# Altium PCB VCU_LAYOUT.PcbDoc (part 1 of 2)
Units mm, origin at the board's own origin, x right, y up, seen from the top; angles counter-clockwise.
Board outline 150 x 110 mm, 2 copper layers (Top Layer, Bottom Layer); 190 components, 112 nets, 718 pads, 126 vias.
Unrouted connection lines stored in the file: 281.
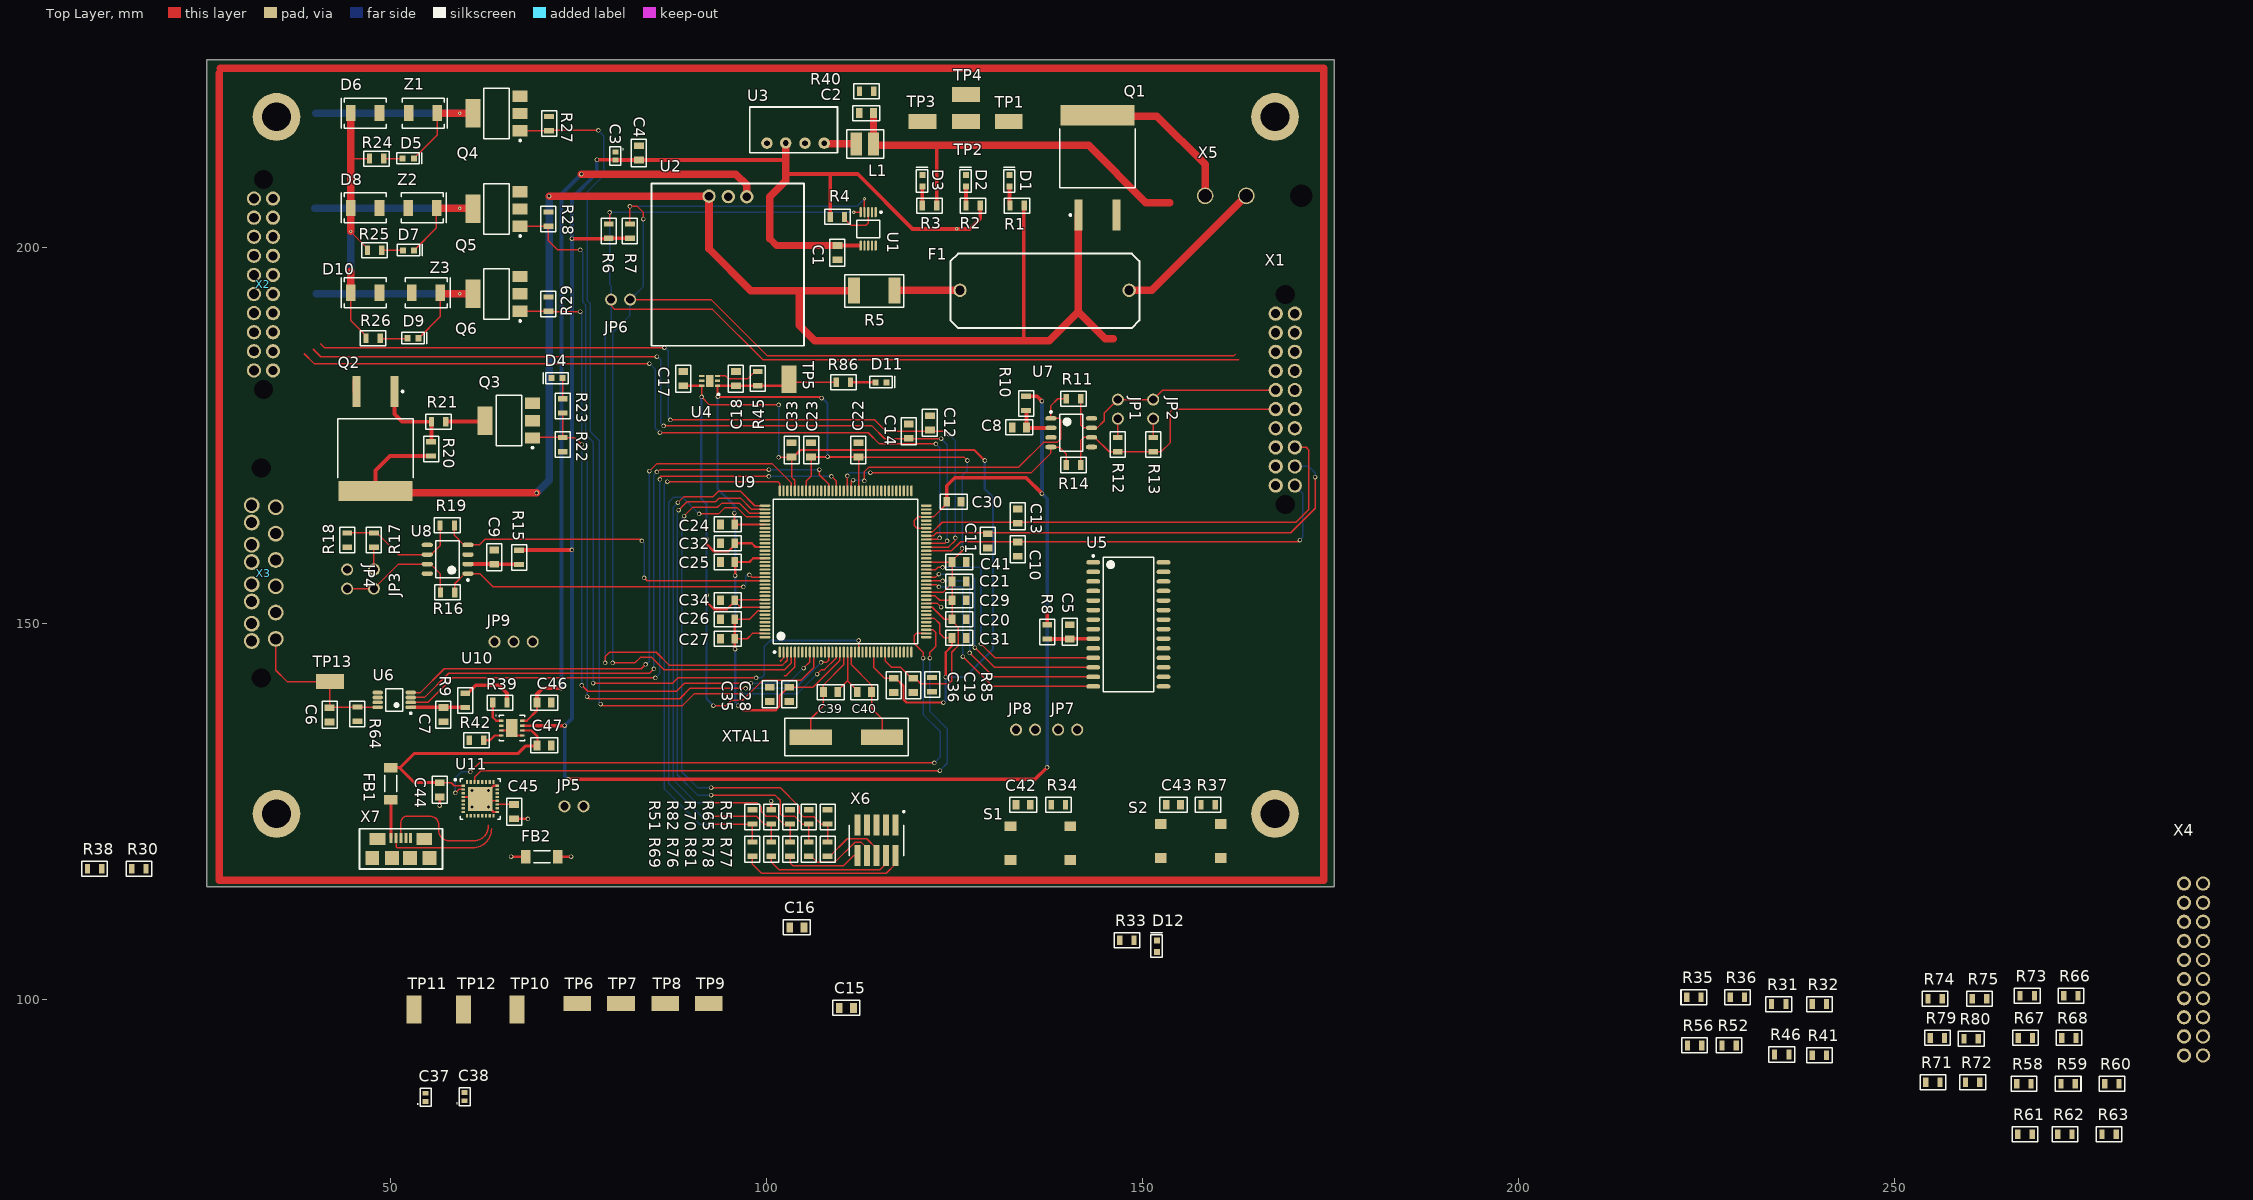
[diagram p0: Top Layer view]
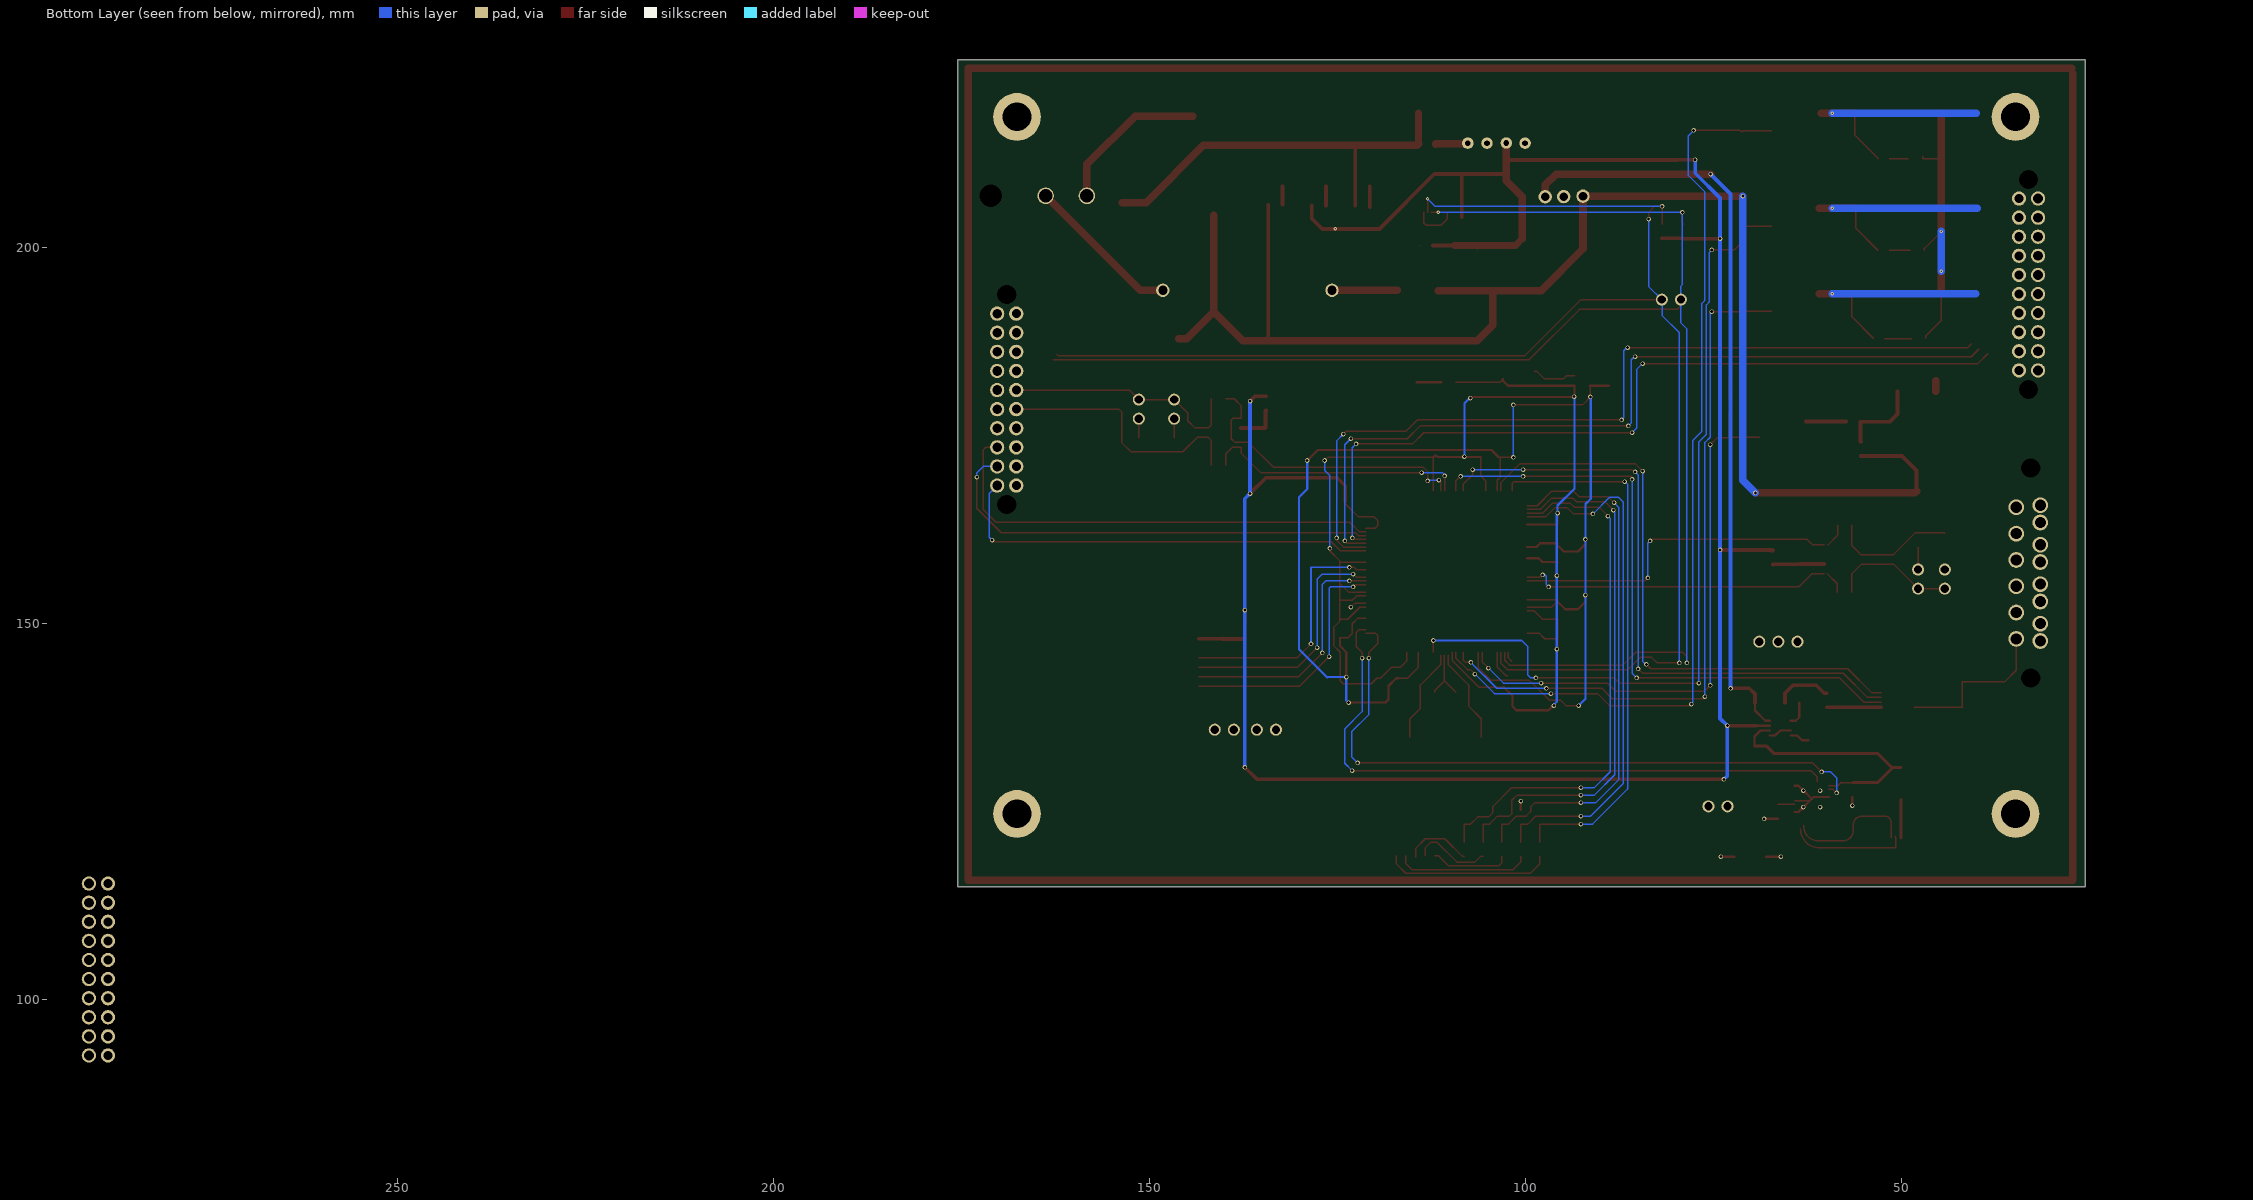
[diagram p1: Bottom Layer view, seen from below]

## Layer stack, top to bottom
Top Solder: solder mask 0.0102, Solder Resist, Dk 3.5
Top Layer: signal copper 0.0356
Dielectric 1: dielectric 0.32, FR-4, Dk 4.8
Bottom Layer: signal copper 0.0356
Bottom Solder: solder mask 0.0102, Solder Resist, Dk 3.5

## Board outline
25.5,225 175.5,225 175.5,115 25.5,115

## Design rules (kind name [scope] priority, off if disabled: settings)
Clearance [All] p1: gap=0.254 ignorepadtopadclearanceinfootprint=FALSE except(0: Arc-Hole Track-Hole SMDPad-Hole THPad-Hole Via-Hole Fill-Hole Poly-Hole Region-Hole Text-Hole; 0.1: Arc-SMDPad Track-SMDPad SMDPad-SMDPad)
DiffPairsRouting [All] p1: maxlimit=15 minlimit=0.254 mostfreqgap=0.254 toplayer_minwidth=0.15 toplayer_maxwidth=0.381 toplayer_prefwidth=0.2 bottomlayer_minwidth=0.15 bottomlayer_maxwidth=0.381 bottomlayer_prefwidth=0.2 maxuncoupledlength=12.7
Height [All] p1: minheight=0 maxheight=300 prefheight=12.7
PolygonConnect [All] p1: connectstyle=Relief reliefconductorwidth=0.254 reliefentries=4 polygonreliefangle="90 Angle" airgapwidth=0.254
RoutingVias [All] p1: holewidth=0.711 width=1.27 viastyle="Through Hole" minholewidth=0.711 minwidth=1.27 maxholewidth=0.711 maxwidth=1.27
SolderMaskExpansion [All] p1: expansion=0.102
Width [All] p1: maxlimit=1 minlimit=0.15 preferedwidth=0.254
28 further rules are at their usual default settings.

## Classes and differential pairs
component class VCU_Schematic: C5 C6 C7 I2C JP5 JP6 JP7 JP8 JP9 R6 R7 R8 R9 R64 TP6 TP7 TP8 TP9 TP10 TP11 TP12 TP13 U5 U6
component class Power_Sensing: C1 C2 C3 C4 D1 D2 D3 F1 L1 Q1 R1 R2 R3 R4 R5 R40 TP1 TP2 TP3 TP4 U1 U2 U3
component class GPIO_Pullups_Pulldowns: R31 R32 R35 R36 R41 R46 R52 R56
component class Contactor_Switching: D4 D5 D6 D7 D8 D9 D10 Q2 Q3 Q4 Q5 Q6 R20 R21 R22 R23 R24 R25 R26 R27 R28 R29 Z1 Z2 Z3
component class Connectors: R30 R38 X1 X2 X3 X4 X5
component class CAN: C8 C9 JP1 JP2 JP3 JP4 R10 R11 R12 R13 R14 R15 R16 R17 R18 R19 U7 U8
component class ADC_Decoupling: C10 C11 C12 C13 C14 C15 C16 R58 R59 R60 R61 R62 R63 R66 R67 R68 R71 R72 R73 R74 R75 R79 R80
component class MCU_Signals: C30 C39 C40 C42 C43 C44 C45 C46 C47 D12 FB1 FB2 R33 R34 R37 R39 R42 R51 R55 R65 R69 R70 R76 R77 R78 R81 R82 R85 S1 S2 U10 U11 X6 X7 XTAL1
component class Power_MCU: C17 C18 C19 C20 C21 C22 C23 C24 C25 C26 C27 C28 C29 C31 C32 C33 C34 C35 C36 C37 C38 C41 D11 R45 R86 TP5 U4 U9
differential pair USBD: +USBD_P -USBD_N

## Components (designator, comment, footprint, x,y, rotation, side; value= is the part's Value field where it differs from the comment)
C1 "100nF" C0805 109.4,199.35 r90 top
C2 "4u7" C0805 113.25,217.9 r0 top
C3 "10uF" TANT_10u 79.9,212.2 r270 top
C4 "100nF" C0805 83,212.6 r270 top
C5 "100nF" C0805 140.3,148.9 r270 top
C6 "100nF" C0805 41.86,137.86 r90 top
C7 "100nF" C0805 57,137.9 r90 top
C8 "100nF" C0805 133.6,176.1 r0 top
C9 "100nF" C0805 63.76,158.86 r270 top
C10 "100nF" C0805 133.4,159.9 r90 top
C11 "100nF" C0805 129.4,161 r90 top
C12 "100nF" C0805 121.7,176.7 r270 top
C13 "100nF" C0805 133.4,164.3 r270 top
C14 "100nF" C0805 118.9,175.6 r270 top
C15 "100nF" C0805 110.6,98.9 r0 top
C16 "100nF" C0805 104,109.6 r0 top
C17 "1uF" C0805 88.9,182.6 r270 top
C18 "1uF" C0805 95.9,182.6 r270 top
C19 "100nF" C0805 119.5,141.8 r90 top
C20 "100nF" C0805 125.6,150.6 r180 top
C21 "100nF" C0805 125.6,155.6 r180 top
C22 "100nF" C0805 112.2,173.1 r270 top
C23 "100nF" C0805 105.9,173.1 r270 top
C24 "100nF" C0805 94.8,163.2 r0 top
C25 "100nF" C0805 94.8,158.2 r0 top
C26 "100nF" C0805 94.8,150.6 r0 top
C27 "100nF" C0805 94.8,148 r0 top
C28 "100nF" C0805 103,140.6 r90 top
C29 "100nF" C0805 125.6,153.1 r180 top
C30 "100nF" C0805 124.9,166.2 r180 top
C31 "100nF" C0805 125.6,148.1 r180 top
C32 "100nF" C0805 94.8,160.7 r0 top
C33 "100nF" C0805 103.3,173.1 r270 top
C34 "100nF" C0805 94.8,153.1 r0 top
C35 "100nF" C0805 100.4,140.6 r90 top
C36 "100nF" C0805 116.9,141.8 r90 top
C37 "10uF" TANT_10u 54.6,87 r90 top
C38 "10uF" TANT_10u 59.8,87.1 r90 top
C39 "33pF" C0805 108.5,140.9 r180 top
C40 "33pF" C0805 113,140.9 r0 top
C41 "100nF" C0805 125.6,158.2 r180 top
C42 "100nF" C0805 134.1,125.9 r0 top
C43 "100nF" C0805 154.1,125.9 r0 top
C44 "100nF" C0805 56.5,127.9 r90 top
C45 "4u7" C0805 66.4,125 r90 top
C46 "100nF" C0805 70.4,139.5 r180 top
C47 "100nF" C0805 70.4,133.8 r0 top
D1 "LTST-C191KGKT" LED_0603 132.3,208.9 r90 top
D2 "LTST-C191KGKT" LED_0603 126.5,208.9 r90 top
D3 "LTST-C191KGKT" LED_0603 120.7,208.9 r90 top
D4 "LTST-C191TBKT-5A" LED_0603 72.1,182.7 r180 top
D5 "LTST-C191TBKT-5A" LED_0603 52.31,211.86 r0 top
D6 "S3BB-TP" DO-214AA_Diode 46.6,217.9 r180 top
D7 "LTST-C191TBKT-5A" LED_0603 52.36,199.66 r0 top
D8 "S3BB-TP" DO-214AA_Diode 46.6,205.3 r180 top
D9 "LTST-C191TBKT-5A" LED_0603 52.96,187.96 r0 top
D10 "S3BB-TP" DO-214AA_Diode 46.6,194 r180 top
D11 "LTST-C191KGKT" LED_0603 115.2,182.1 r0 top
D12 "LTST-C191KRKT" LED_0603 151.9,107.1 r90 top
F1 "0031.8201" FUSE_HOLDER 137,194.4 r180 top
FB1 "23R @ 100 MHz" FB_1806 50,128.72 r90 top
FB2 "23R @ 100 MHz" FB_1806 70.1,119 r0 top
JP1 "952-2262-ND" 2PIN_HEADER 146.7,177.26 r90 top
JP2 "952-2262-ND" 2PIN_HEADER 151.4,177.26 r90 top
JP3 "952-2262-ND" 2PIN_HEADER 47.76,157.2 r270 top
JP4 "952-2262-ND" 2PIN_HEADER 44.2,157.2 r270 top
JP5 "952-2262-ND" 2PIN_HEADER 73.1,125.7 r0 top
JP6 "952-2262-ND" 2PIN_HEADER 79.3,193.1 r0 top
JP7 "952-2262-ND" 2PIN_HEADER 138.76,135.9 r0 top
JP8 "952-2262-ND" 2PIN_HEADER 133.16,135.9 r0 top
JP9 "732-5316-ND" 3PIN_HEADER 66.34,147.6 r180 top
L1 "10u" INDUCTOR 113.055,213.8 r0 top
Q1 "IRFS4321PBF" D2PAK_FETs 144,210.6 r90 top
Q2 "SUM110P08-11L-E3" D2PAK_FETs 47.96,174.64 r270 top
Q3 "NCV8406ASTT1G" SOT-223_NFET 65.7,177 r180 top
Q4 "NCV8406ASTT1G" SOT-223_NFET 64.06,217.86 r180 top
Q5 "NCV8406ASTT1G" SOT-223_NFET 64.06,205.16 r180 top
Q6 "NCV8406ASTT1G" SOT-223_NFET 64.06,193.86 r180 top
R1 "4.7k" R0805 133.3,205.6 r0 top
R2 "665R" R0805 127.45,205.6 r0 top
R3 "280R" R0805 121.65,205.6 r0 top
R4 "10k" R0805 109.4,204.1 r180 top
R5 "0R001" R2512 114.3,194.3 r180 top
R6 "4.7k" R0805 79,202.2 r270 top
R7 "4.7k" R0805 81.8,202.2 r270 top
R8 "0" R0805 137.3,148.9 r90 top
R9 "0" R0805 59.9,139.8 r90 top
R10 "0" R0805 134.5,179.3 r90 top
R11 "0" R0805 140.8,179.9 r0 top
R12 "120" R0805 146.7,173.8 r90 top
R13 "60.4" R0805 151.4,173.8 r90 top
R14 "0" R0805 140.8,171.1 r0 top
R15 "0" R0805 67.06,158.81 r90 top
R16 "0" R0805 57.56,154.16 r180 top
R17 "120" R0805 47.76,161.11 r270 top
R18 "60.4" R0805 44.2,161.1 r270 top
R19 "0" R0805 57.51,163.06 r180 top
R20 "10k" R0805 55.36,173.24 r270 top
R21 "10k" R0805 56.36,176.84 r180 top
R22 "10k" R0805 72.86,173.81 r90 top
R23 "665R" R0805 72.86,178.96 r270 top
R24 "4.7k" R0805 48.11,211.86 r180 top
R25 "4.7k" R0805 47.86,199.66 r180 top
R26 "4.7k" R0805 47.66,187.96 r180 top
R27 "10k" R0805 71.06,216.51 r270 top
R28 "10k" R0805 70.96,203.81 r270 top
R29 "10k" R0805 70.96,192.51 r270 top
R30 "10k" R0805 16.5,117.4 r0 top
R31 "10k" R0805 234.599,99.4 r0 top
R32 "10k" R0805 239.999,99.4 r0 top
R33 "2.2k" R0805 147.9,107.9 r0 top
R34 "2.2k" R0805 138.8,125.9 r0 top
R35 "10k" R0805 223.299,100.3 r0 top
R36 "10k" R0805 229.099,100.3 r0 top
R37 "2.2k" R0805 158.7,125.9 r0 top
R38 "10k" R0805 10.6,117.4 r0 top
R39 "10k" R0805 64.5,139.5 r180 top
R40 "60.4" R0805 113.3,220.8 r0 top
R41 "10k" R0805 240,92.6 r0 top
R42 "1k" R0805 61.4,134.5 r0 top
R45 "10k" R0805 98.8,182.6 r270 top
R46 "10k" R0805 234.999,92.7 r0 top
R51 "0" R0805 98.1,124.3 r90 top
R52 "10k" R0805 228,93.9 r0 top
R55 "0" R0805 108.1,124.3 r90 top
R56 "10k" R0805 223.4,93.9 r0 top
R58 "10k" R0805 267.199,88.8 r0 top
R59 "10k" R0805 273.099,88.8 r0 top
R60 "10k" R0805 278.899,88.8 r0 top
R61 "10k" R0805 267.35,82.1 r0 top
R62 "10k" R0805 272.65,82.1 r0 top
R63 "10k" R0805 278.55,82.1 r0 top
R64 "10k" R0805 45.56,137.96 r90 top
R65 "0" R0805 105.6,124.3 r90 top
R66 "10k" R0805 273.45,100.5 r0 top
R67 "10k" R0805 267.399,94.9 r0 top
R68 "10k" R0805 273.199,94.9 r0 top
R69 "0" R0805 98.1,120 r90 top
R70 "0" R0805 103.1,124.3 r90 top
R71 "10k" R0805 255.099,89 r0 top
R72 "10k" R0805 260.399,89 r0 top
R73 "10k" R0805 267.65,100.5 r0 top
R74 "10k" R0805 255.4,100.1 r0 top
R75 "10k" R0805 261.299,100.1 r0 top
R76 "0" R0805 100.6,120 r90 top
R77 "0" R0805 108.1,120 r90 top
R78 "0" R0805 105.6,120 r90 top
R79 "10k" R0805 255.7,94.9 r0 top
R80 "10k" R0805 260.2,94.8 r0 top
R81 "0" R0805 103.1,120 r90 top
R82 "0" R0805 100.6,124.3 r270 top
R85 "2.2k" R0805 122,141.9 r90 top
R86 "120" R0805 110.2,182.1 r180 top
S1 "PTS645SM43SMTR92LFS" PUSH_BUTTON 136.4,120.8 r180 top
S2 "PTS645SM43SMTR92LFS" PUSH_BUTTON 156.4,121.1 r180 top
TP1 "5015" TP_HOOK 132.2,216.8 r0 top
TP2 "5015" TP_HOOK 126.5,216.8 r0 top
TP3 "5015" TP_HOOK 120.7,216.8 r0 top
TP4 "5015" TP_HOOK 126.5,220.4 r0 top
TP5 "5015" TP_HOOK 102.95,182.5 r270 top
TP6 "5015" TP_HOOK 74.799,99.5 r0 top
TP7 "5015" TP_HOOK 80.599,99.5 r0 top
TP8 "5015" TP_HOOK 86.499,99.5 r0 top
TP9 "5015" TP_HOOK 92.299,99.5 r0 top
TP10 "5015" TP_HOOK 66.799,98.7 r90 top
TP11 "5015" TP_HOOK 53.099,98.7 r90 top
TP12 "5015" TP_HOOK 59.699,98.7 r90 top
TP13 "5015" TP_HOOK 41.9,142.3 r180 top
U1 "INA226AIDGSR" 10-VSSOP_INA226 113.5,202.5 r270 top
U2 "78SRH-5/2-C" DCDC1 95.1,198.7 r180 top
U3 "NKE0503SC" DCDC2 103.459,216.313 r0 top
U4 "LP5912Q3.3DRVRQ1" WSON 92.4,182.3 r90 top
U5 "MCP23S17T-E/SO" 28-SOIC_MCP23S17 148.1,149.9 r0 top
U6 "MCP4921T-E/MS" 8-MSOP_MCP4921 50.46,139.86 r180 top
U7 "MCP2561FD-E/SN" 8-SOIC_MCP2561 140.5,175.4 r0 top
U8 "MCP2561FD-E/SN" 8-SOIC_MCP2561 57.56,158.56 r180 top
U9 "TMS5701224CPGEQQ1" LQFP-144 110.49,156.945 r90 top
U10 "TPS2115ADRBR" VSON-8 66.1,136.1 r0 top
U11 "FT232RQ" QFN-32 61.9,126.7 r0 top
X1 "WM10445-ND" MOLEX_20pin 191.6,179.8 r90 top
X2 "WM10445-ND" MOLEX_20pin 10.44,195.11 r270 top
X3 "WM14546-ND" MOLEX_10PIN 10.14,156.725 r270 top
X4 "WM10445-ND" MOLEX_20pin 312.4,104 r90 top
X5 "0768250002" MOLEX_2PIN_MEGAFIT 171.1,206.9 r90 top
X6 "FTSH-105-01-F-DV-K" JTAG_50mil_10pin 117.14,123.2 r0 top
X7 "10118192-0001LF" USB_MICRO 51.35,121.5 r0 top
XTAL1 "ABLS2-16.000MHZ-D4Y-T" XTAL 110.6,134.9 r0 top
Z1 "12V" DO-214AA_Diode 54.3,217.9 r0 top
Z2 "12V" DO-214AA_Diode 54.2,205.3 r0 top
Z3 "12V" DO-214AA_Diode 54.7,194 r0 top

## Footprints (in the part's own frame and the unit in brackets; to place one, negate y for a bottom-side part, rotate by r counter-clockwise, add the part's x,y. Pads: shape width x height; smd on the part's side, far side on the other; paste and mask are expansions set on the pad)
2PIN_HEADER [mm]
  round 1.6 hole 1.1: 1(0,0) 2(2.54,0)
  body extent -1.27,-1.27 3.81,1.27, height 9.5
3PIN_HEADER [mm]
  round 1.6 hole 1.1: 1(-2.54,0) 2(0,0) 3(2.54,0)
  body extent -3.81,-1.27 3.81,1.27, height 9.5
8-MSOP_MCP4921 [mm] "TSOP, 8-Leads, Body 3.00x3.00mm, Pitch 0.65mm, IPC Medium Density"
  oval 1.4x0.5 smd: 1(-2.2,0.975) 2(-2.2,0.325) 3(-2.2,-0.325) 4(-2.2,-0.975) 5(2.2,-0.975) 6(2.2,-0.325) 7(2.2,0.325) 8(2.2,0.975)
  silkscreen extent -2.33,-1.5 1.1,1.9, body extent -2.45,-1.5 2.45,1.5, height 1.1
8-SOIC_MCP2561 [mm] "SOIC, 8-Leads, Body 4.90x3.90mm, Pitch 1.27mm, IPC Medium Density"
  oval 1.5x0.6 smd: 1(-2.7,1.905) 2(-2.7,0.635) 3(-2.7,-0.635) 4(-2.7,-1.905) 5(2.7,-1.905) 6(2.7,-0.635) 7(2.7,0.635) 8(2.7,1.905)
  silkscreen extent -2.82,-2.45 1.55,2.88, body extent -3,-2.45 3,2.45, height 1.75
10-VSSOP_INA226 [mm] "TSSOP, 10-Leads, Body 3.00x3.00mm, Pitch 0.50mm, IPC Medium Density"
  oval 1.35x0.3 smd: 1(-2.225,1) 2(-2.225,0.5) 3(-2.225,0) 4(-2.225,-0.5) 5(-2.225,-1) 6(2.225,-1) 7(2.225,-0.5) 8(2.225,0) 9(2.225,0.5) 10(2.225,1)
  silkscreen extent -2.35,-1.55 1.15,1.83, body extent -2.45,-1.55 2.45,1.55, height 1.1
28-SOIC_MCP23S17 [mm] "SOIC, 28-Leads, Body 17.90x7.50mm, Pitch 1.27mm, IPC Medium Density"
  oval 1.85x0.6 smd: 1(-4.675,8.255) 2(-4.675,6.985) 3(-4.675,5.715) 4(-4.675,4.445) 5(-4.675,3.175) 6(-4.675,1.905) 7(-4.675,0.635) 8(-4.675,-0.635) 9(-4.675,-1.905) 10(-4.675,-3.175) 11(-4.675,-4.445) 12(-4.675,-5.715) 13(-4.675,-6.985) 14(-4.675,-8.255) 15(4.675,-8.255) 16(4.675,-6.985) 17(4.675,-5.715) 18(4.675,-4.445) 19(4.675,-3.175) 20(4.675,-1.905) 21(4.675,-0.635) 22(4.675,0.635) 23(4.675,1.905) 24(4.675,3.175) 25(4.675,4.445) 26(4.675,5.715) 27(4.675,6.985) 28(4.675,8.255)
  silkscreen extent -4.8,-8.95 3.35,9.23, body extent -5.15,-8.95 5.15,8.95, height 2.65
C0805 [mm]
  rect 0.9x1.3 smd: 1(-0.95,0) 2(0.95,0)
  silkscreen extent -1.8,-1 1.8,1
D2PAK_FETs [mm] "D2-PAK, 3-Pads, Body 7.65x8.36mm (max), IPC Medium Density"
  rect 4.15x1.05 smd: 1(-6.25,2.54) 3(-6.25,-2.54)
  rect 2.7x9.8 smd: 4(7,0)
  silkscreen extent -6.37,-5 5.25,5, body extent -7.1,-5 8.14,5, height 4.83
DCDC1 [mil]
  round 70 hole 45: 1(109.25,-320.87) 2(7.87,-318.9)
  round 70 hole 45 mask+4: 3(-88.58,-317.91)
  silkscreen extent -389,-388 411,462, body extent -390,-390 410,460, height 305
DCDC2 [mil]
  round 60 hole 30: 1(-135.2,-95) 2(-36.77,-94.02) 3(64.61,-95) 4(165,-95)
  silkscreen extent -225,-145 235,95, body extent -221,-145 232,92, height 456
DO-214AA_Diode [mm] "Molded Diode, 2-Leads, Body 5.33x3.62mm, IPC Medium Density"
  rect 1.27x2.15 smd: 1(-1.9,0) 2(1.9,0)
  silkscreen extent -2.8,-2 3.2,2, body extent -3.02,-1.97 3.02,1.97, height 2.62
FB_1806 [mm] "Chip Inductor, 2-Leads, Body 4.50x1.60mm, IPC Medium Density"
  rect 1.27x1.82 smd: 1(-2.12,0) 2(2.12,0)
  silkscreen extent -1.1,-0.81 1.1,0.81, body extent -2.4,-0.9 2.4,0.9, height 1.3
FUSE_HOLDER [mil]
  round 70 hole 48: 1(-441.14,2.56) 2(444.68,2.56)
  silkscreen extent -495,-190 495,200, body extent -453,-185 456,193, height 453
INDUCTOR [mm] "Precision Wire Wound Inductor, 2-Leads, Body 3.20x2.50mm, IPC Medium Density"
  rect 1.52x3.05 smd: 1(-1.145,0) 2(1.145,0)
  silkscreen extent -2.4,-1.9 2.5,1.9, body extent -1.7,-1.25 1.7,1.25, height 2.39
JTAG_50mil_10pin [mil]
  rect 30x110 smd: 1(0,0) 2(0,-159.84) 3(-50,0) 4(-50,-159.84) 5(-100,0) 6(-100,-159.84) 7(-150,0) 8(-150,-159.84) 9(-200,0) 10(-200,-159.84)
  silkscreen extent -243,-161 47,75, body extent -223,-194 27,36, height 241
LED_0603 [mm]
  rect 0.8x0.8 smd: 1(-0.75,0) 2(0.75,0)
  silkscreen extent -1.5,-0.7 1.8,0.8
LQFP-144 [mm] "TSQFP, 144-Leads, Body 20.00x20.00mm, Pitch 0.50mm, IPC Medium Density"
  oval 1.45x0.3 smd: 1(-10.725,8.75) 2(-10.725,8.25) 3(-10.725,7.75) 4(-10.725,7.25) 5(-10.725,6.75) 6(-10.725,6.25) 7(-10.725,5.75) 8(-10.725,5.25) 9(-10.725,4.75) 10(-10.725,4.25) 11(-10.725,3.75) 12(-10.725,3.25) 13(-10.725,2.75) 14(-10.725,2.25) 15(-10.725,1.75) 16(-10.725,1.25) 17(-10.725,0.75) 18(-10.725,0.25) 19(-10.725,-0.25) 20(-10.725,-0.75) 21(-10.725,-1.25) 22(-10.725,-1.75) 23(-10.725,-2.25) 24(-10.725,-2.75) 25(-10.725,-3.25) 26(-10.725,-3.75) 27(-10.725,-4.25) 28(-10.725,-4.75) 29(-10.725,-5.25) 30(-10.725,-5.75) 31(-10.725,-6.25) 32(-10.725,-6.75) 33(-10.725,-7.25) 34(-10.725,-7.75) 35(-10.725,-8.25) 36(-10.725,-8.75) 73(10.725,-8.75) 74(10.725,-8.25) 75(10.725,-7.75) 76(10.725,-7.25) 77(10.725,-6.75) 78(10.725,-6.25) 79(10.725,-5.75) 80(10.725,-5.25) 81(10.725,-4.75) 82(10.725,-4.25) 83(10.725,-3.75) 84(10.725,-3.25) 85(10.725,-2.75) 86(10.725,-2.25) 87(10.725,-1.75) 88(10.725,-1.25) 89(10.725,-0.75) 90(10.725,-0.25) 91(10.725,0.25) 92(10.725,0.75) 93(10.725,1.25) 94(10.725,1.75) 95(10.725,2.25) 96(10.725,2.75) 97(10.725,3.25) 98(10.725,3.75) 99(10.725,4.25) 100(10.725,4.75) 101(10.725,5.25) 102(10.725,5.75) 103(10.725,6.25) 104(10.725,6.75) 105(10.725,7.25) 106(10.725,7.75) 107(10.725,8.25) 108(10.725,8.75)
  oval 0.3x1.45 smd: 37(-8.75,-10.725) 38(-8.25,-10.725) 39(-7.75,-10.725) 40(-7.25,-10.725) 41(-6.75,-10.725) 42(-6.25,-10.725) 43(-5.75,-10.725) 44(-5.25,-10.725) 45(-4.75,-10.725) 46(-4.25,-10.725) 47(-3.75,-10.725) 48(-3.25,-10.725) 49(-2.75,-10.725) 50(-2.25,-10.725) 51(-1.75,-10.725) 52(-1.25,-10.725) 53(-0.75,-10.725) 54(-0.25,-10.725) 55(0.25,-10.725) 56(0.75,-10.725) 57(1.25,-10.725) 58(1.75,-10.725) 59(2.25,-10.725) 60(2.75,-10.725) 61(3.25,-10.725) 62(3.75,-10.725) 63(4.25,-10.725) 64(4.75,-10.725) 65(5.25,-10.725) 66(5.75,-10.725) 67(6.25,-10.725) 68(6.75,-10.725) 69(7.25,-10.725) 70(7.75,-10.725) 71(8.25,-10.725) 72(8.75,-10.725) 109(8.75,10.725) 110(8.25,10.725) 111(7.75,10.725) 112(7.25,10.725) 113(6.75,10.725) 114(6.25,10.725) 115(5.75,10.725) 116(5.25,10.725) 117(4.75,10.725) 118(4.25,10.725) 119(3.75,10.725) 120(3.25,10.725) 121(2.75,10.725) 122(2.25,10.725) 123(1.75,10.725) 124(1.25,10.725) 125(0.75,10.725) 126(0.25,10.725) 127(-0.25,10.725) 128(-0.75,10.725) 129(-1.25,10.725) 130(-1.75,10.725) 131(-2.25,10.725) 132(-2.75,10.725) 133(-3.25,10.725) 134(-3.75,10.725) 135(-4.25,10.725) 136(-4.75,10.725) 137(-5.25,10.725) 138(-5.75,10.725) 139(-6.25,10.725) 140(-6.75,10.725) 141(-7.25,10.725) 142(-7.75,10.725) 143(-8.25,10.725) 144(-8.75,10.725)
  silkscreen extent -10.85,-9.6 9.6,9.6, body extent -10.9,-11 11.1,11, height 1.45
MOLEX_2PIN_MEGAFIT [mm]
  round 2.2 hole 1.8: 1(0,7.3) 2(0,12.8)
  round 0 hole 3: ""(0,0)
  body extent -4.1,-8.58 4.25,13.38, height 14.75
MOLEX_10PIN [mm]
  round 2.1 hole 1.48: 1(-8.75,24.56) 2(-5.25,24.56) 3(-1.75,24.56) 4(1.75,24.56) 5(5.25,24.56) 6(8.75,24.56) 7(-9.025,21.36) 7(-6.725,21.36) 8(-3.775,21.36) 8(-1.475,21.36) 9(1.475,21.36) 9(3.775,21.36) 10(6.725,21.36) 10(9.025,21.36)
  round 0 hole 2.54: ""(-13.97,22.63) ""(13.97,22.63)
  body extent -17.05,-9.26 17.05,25.9, height 21.66
MOLEX_20pin [mm]
  round 1.9 hole 1.2: 1(-11.43,23.9) 2(-8.89,23.9) 3(-6.35,23.9) 4(-3.81,23.9) 5(-1.27,23.9) 6(1.27,23.9) 7(3.81,23.9) 8(6.35,23.9) 9(8.89,23.9) 10(11.43,23.9)
  round 1.9 hole 1.3: 11(-11.43,21.36) 12(-8.89,21.36) 13(-6.35,21.36) 14(-3.81,21.36) 15(-1.27,21.36) 16(1.27,21.36) 17(3.81,21.36) 18(6.35,21.36) 19(8.89,21.36) 20(11.43,21.36)
  round 0 hole 2.54: ""(-13.97,22.63) ""(13.97,22.63)
  body extent -17.05,-9.26 17.05,25.6, height 21.16